# Altium PCB CHEM_CONTROL_BOX.PcbDoc (part 1 of 3)
Units mil, origin at the board's own origin, x right, y up, seen from the top; angles counter-clockwise.
Board outline 17180 x 8000 mil, 2 copper layers (Top Layer, Bottom Layer), stack 65.3 mil thick; 278 components, 287 nets, 1298 pads, 479 vias.
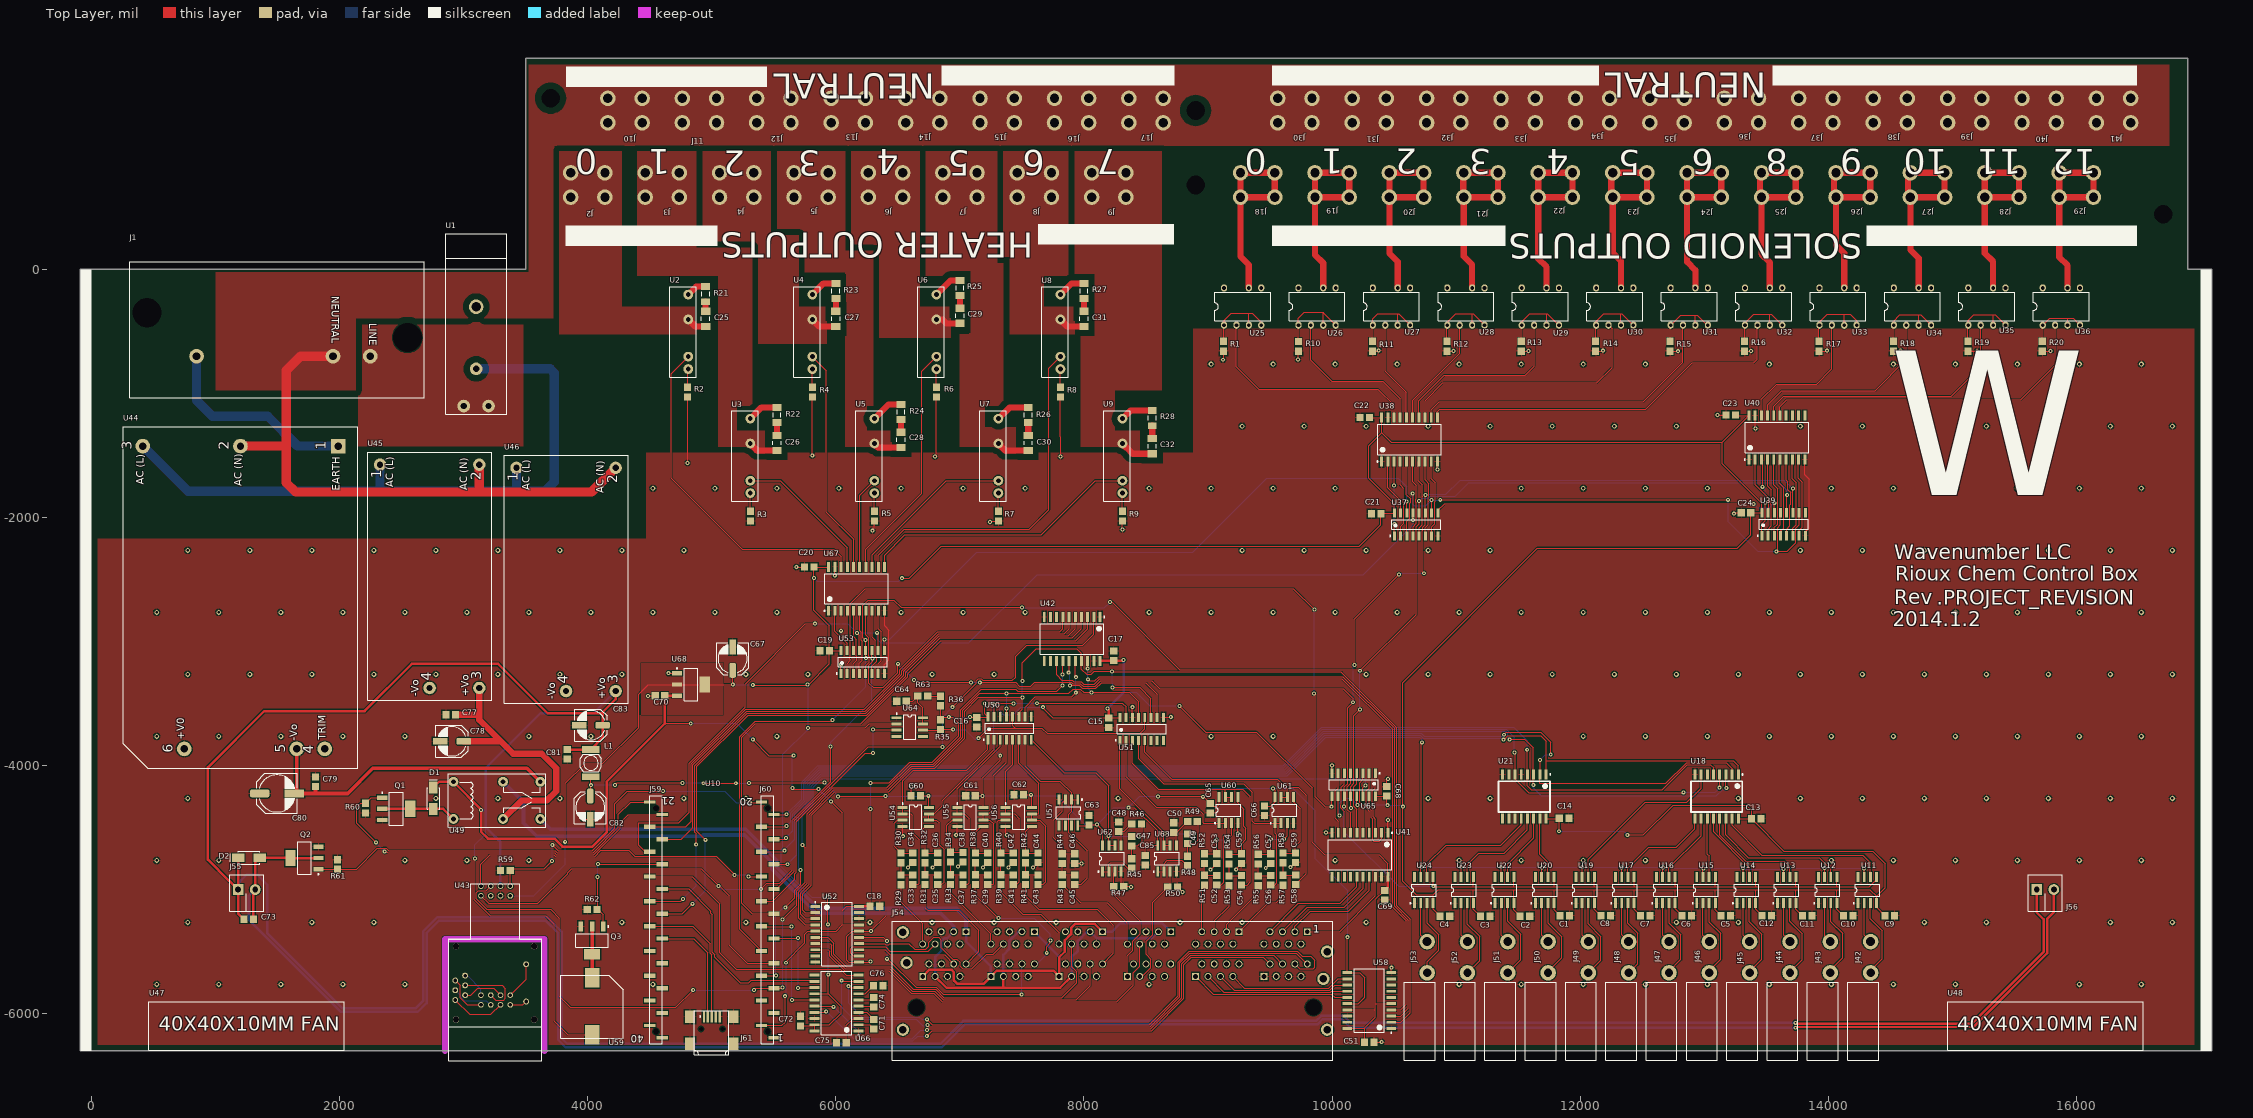
[diagram p0: Top Layer view]
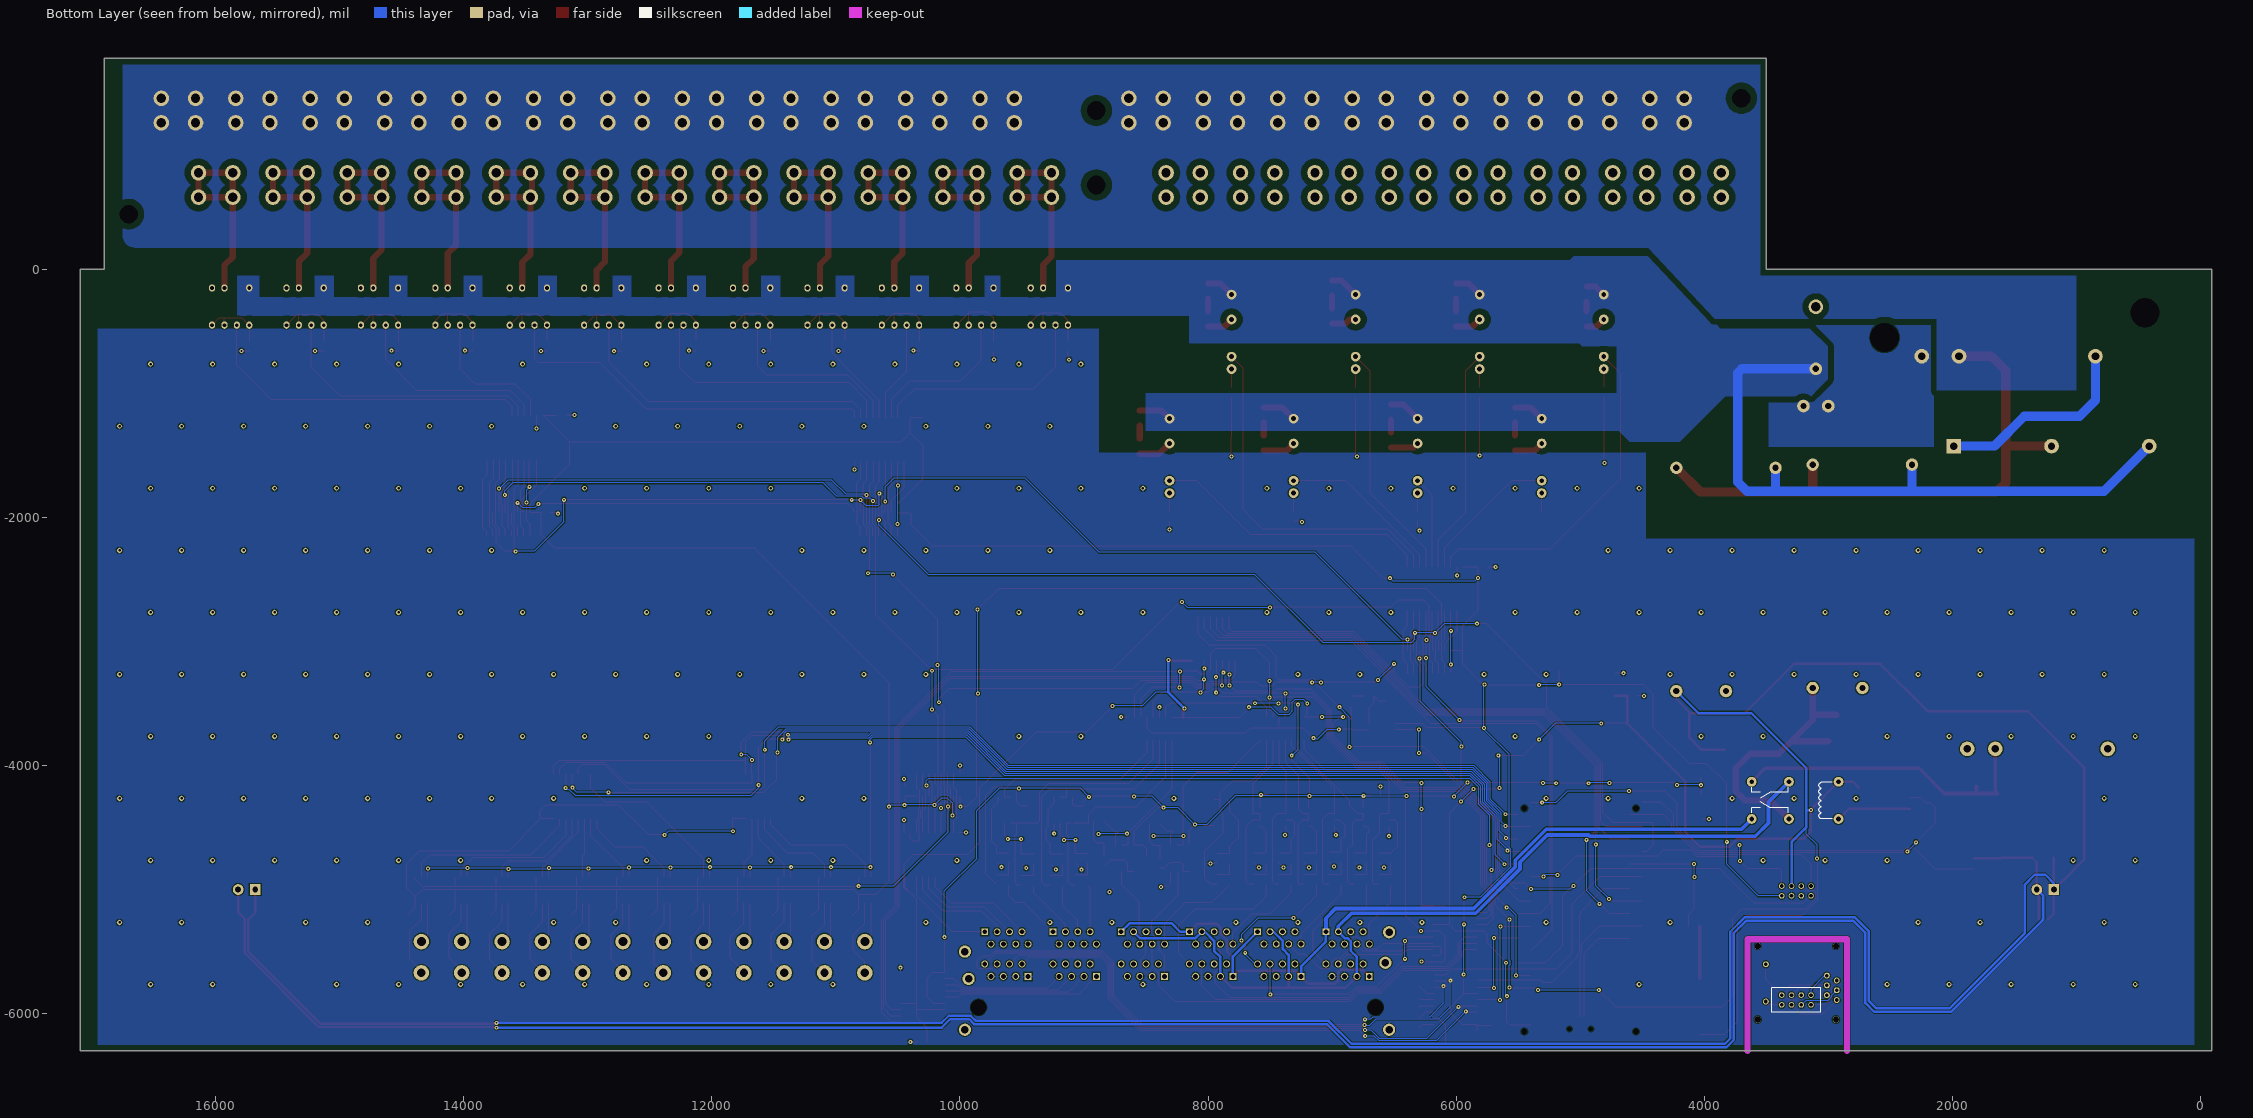
[diagram p1: Bottom Layer view, seen from below]
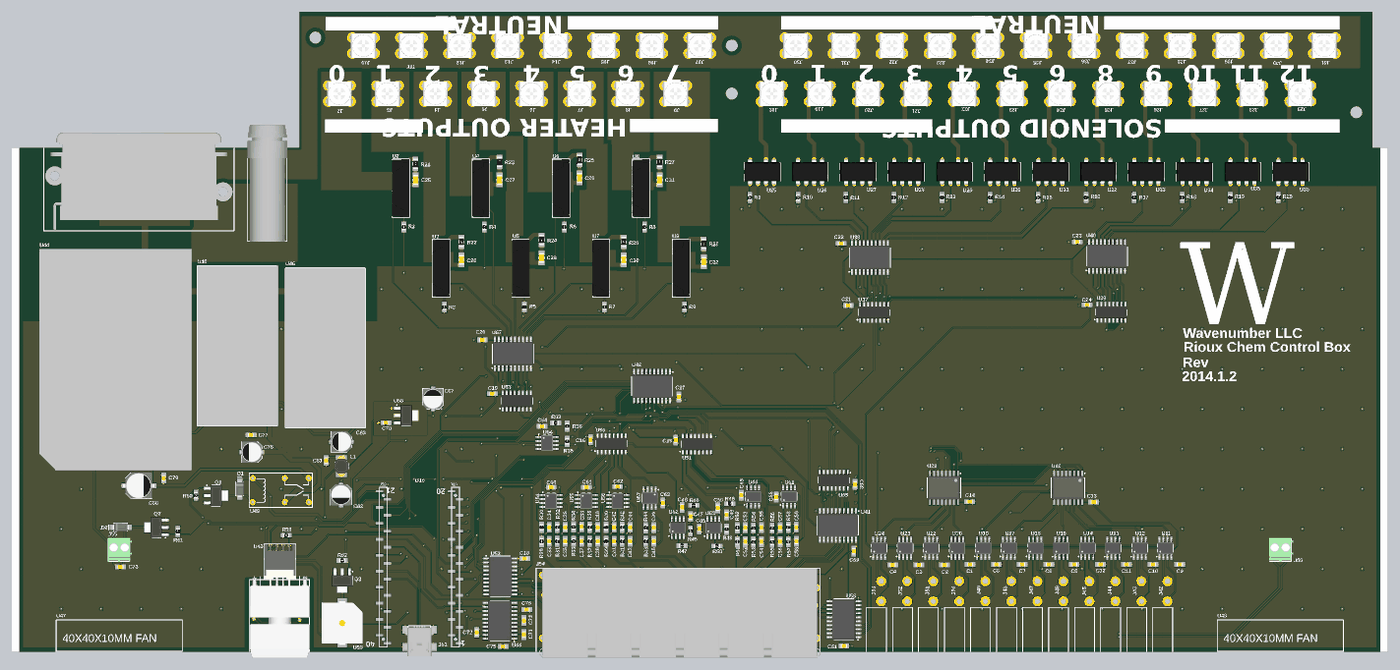
[diagram p4: 3D render of the assembled board from above, using the file's embedded part models]

## Layer stack, top to bottom
Top Layer: signal copper 1.4
Dielectric: core 62.5, FR-4, Dk 4.8
Bottom Layer: signal copper 1.4

## Board outline
-90,-6300 -90,0 3500,0 3500,1700 16900,1700 16900,0 17090,0 17090,-6300

## Design rules (kind name [scope] priority, off if disabled: settings)
Clearance 120VAC [InNet('120VAC')   or InNet ('120VAC_RETURN') or InNet ('HEATER_POWER_0') or InNet ('HEATER_POWER_1') or InNet ('HEATER_POWER_2') or InNet ('HEATER_POWER_3') or InNet ('HEATER_POWER_4') or InNet ('HEATER_POWER_5') or InNet ('HEATER_POWER_6') or InNet ('HEATER_POWER_7')] p1: gap=50
Clearance Clearance_1 [All] p2: gap=8
Height [All] p1: minheight=0 maxheight=3000 prefheight=500
HoleSize [All] p1: absolutevalues=TRUE maxlimit=250 minlimit=1 maxpercent=80.000 minpercent=20.000
PolygonConnect 120VAC_POLY [InNet('120VAC') or InNet('120VAC_RETURN') or InNet ('HEATER_POWER_0') or InNet ('HEATER_POWER_1') or InNet ('HEATER_POWER_2') or InNet ('HEATER_POWER_3') or InNet ('HEATER_POWER_4') or InNet ('HEATER_POWER_5') or InNet ('HEATER_POWER_6') or InNet ('HEATER_POWER_7') or InNet ('netJ1_L') or InNet('+3.3v')] p1: connectstyle=Direct reliefconductorwidth=10 reliefentries=4 polygonreliefangle="90 Angle" airgapwidth=10
PolygonConnect [All] p2: connectstyle=Relief reliefconductorwidth=10 reliefentries=4 polygonreliefangle="90 Angle" airgapwidth=10
RoutingVias [All] p1: holewidth=15 width=32 viastyle="Through Hole" minholewidth=15 minwidth=32 maxholewidth=15 maxwidth=32
SolderMaskExpansion [All] p1: expansion=4
Width [All] p1: maxlimit=500 minlimit=6 preferedwidth=6
26 further rules are at their usual default settings.

## Components (designator, comment, footprint, x,y, rotation, side; value= is the part's Value field where it differs from the comment)
C1 "0.1µF  50V" C0805_LD 11875,-5210 r180 top
C2 "0.1µF  50V" C0805_LD 11555,-5215 r180 top
C3 "0.1µF  50V" C0805_LD 11235,-5215 r180 top
C4 "0.1µF  50V" C0805_LD 10910,-5215 r180 top
C5 "0.1µF  50V" C0805_LD 13175,-5210 r180 top
C6 "0.1µF  50V" C0805_LD 12860,-5210 r180 top
C7 "0.1µF  50V" C0805_LD 12525,-5210 r180 top
C8 "0.1µF  50V" C0805_LD 12205,-5210 r180 top
C9 "0.1µF  50V" C0805_LD 14495,-5210 r180 top
C10 "0.1µF  50V" C0805_LD 14160,-5210 r180 top
C11 "0.1µF  50V" C0805_LD 13830,-5210 r180 top
C12 "0.1µF  50V" C0805_LD 13505,-5210 r180 top
C13 "0.1µF  50V" C0805_LD 13420,-4430 r180 top
C14 "0.1µF  50V" C0805_LD 11870,-4425 r180 top
C15 "0.1µF" C0805_LD 8200,-3655 r90 top
C16 "0.1µF" C0805_LD 7135,-3650 r90 top
C17 "0.1µF" C0805_LD 8240,-3115 r270 top
C18 "0.1µF" C0805_LD 6315,-5135 r180 top
C19 "0.1µF  50V" C0805_LD 5910,-3075 r0 top
C20 "0.1µF  50V" C0805_LD 5785,-2400 r0 top
C21 "0.1µF  50V" C0805_LD 10355,-1970 r0 top
C22 "0.1µF  50V" C0805_LD 10264,-1195 r0 top
C23 "0.1µF  50V" C0805_LD 13215,-1175 r0 top
C24 "0.1µF  50V" C0805_LD 13337,-1963 r0 top
C25 "0.1µF" C1206_LD 4950,-400 r270 top
C26 "0.1µF" C1206_LD 5525,-1400 r270 top
C27 "0.1µF" C1206_LD 6000,-400 r270 top
C28 "0.1µF" C1206_LD 6525,-1375 r270 top
C29 "0.1µF" C1206_LD 7000,-375 r270 top
C30 "0.1µF" C1206_LD 7550,-1400 r270 top
C31 "0.1µF" C1206_LD 8000,-400 r270 top
C32 "0.1µF" C1206_LD 8550,-1425 r270 top
C33 "0.1µF" C0805_LD 6620,-4920 r90 top
C34 "0.1µF" C0805_LD 6620,-4745 r90 top
C35 "0.1µF" C0805_LD 6820,-4920 r90 top
C36 "0.1µF" C0805_LD 6820,-4745 r90 top
C37 "0.1µF" C0805_LD 7025,-4920 r90 top
C38 "0.1µF" C0805_LD 7025,-4738.39 r90 top
C39 "0.1µF" C0805_LD 7225,-4920 r90 top
C40 "0.1µF" C0805_LD 7225,-4745 r90 top
C41 "0.1µF" C0805_LD 7430,-4920 r90 top
C42 "0.1µF" C0805_LD 7430,-4745 r90 top
C43 "0.1µF" C0805_LD 7630,-4920 r90 top
C44 "0.1µF" C0805_LD 7630,-4745 r90 top
C45 "0.1µF" C0805_LD 7925,-4920 r90 top
C46 "0.1µF" C0805_LD 7925,-4750 r90 top
C47 "0.1µF" C0805_LD 8385,-4610 r270 top
C48 "0.1µF" C0805_LD 8280,-4495 r270 top
C49 "0.1µF" C0805_LD 8835,-4590 r270 top
C50 "0.1µF" C0805_LD 8725,-4500 r270 top
C51 "0.1µF" C0805_LD 10300,-6230 r180 top
C52 "0.1µF" C0805_LD 9070,-4925 r90 top
C53 "0.1µF" C0805_LD 9070,-4750 r90 top
C54 "0.1µF" C0805_LD 9270,-4925 r90 top
C55 "0.1µF" C0805_LD 9270,-4750 r90 top
C56 "0.1µF" C0805_LD 9505,-4925 r90 top
C57 "0.1µF" C0805_LD 9505,-4750 r90 top
C58 "0.1µF" C0805_LD 9706,-4920 r90 top
C59 "0.1µF" C0805_LD 9705,-4743 r90 top
C60 "0.1µF" C0805_LD 6645,-4245 r0 top
C61 "0.1µF" C0805_LD 7085,-4245 r0 top
C62 "0.1µF" C0805_LD 7474.21,-4235 r0 top
C63 "0.1µF" C0805_LD 8040,-4440 r270 top
C64 "0.1µF" C0805_LD 6529,-3481 r180 top
C65 "0.1µF" C0805_LD 9019,-4344 r90 top
C66 "0.1µF" C0805_LD 9455,-4365 r90 top
C67 "47µF" C_ALU_D 5168,-3139 r90 top
C68 "0.1µF  50V" C0805_LD 10440,-4209 r270 top
C69 "0.1µF  50V" C0805_LD 10424,-5045 r90 top
C70 "0.1µF" C0805_LD 4582,-3437 r0 top
C71 "0.1µF" C0805_LD 6305,-6085 r270 top
C72 "0.1µF" C0805_LD 5715,-6060 r270 top
C73 "0.1µF" C0805_LD 1265.8,-5239.8 r180 top
C74 "0.1µF" C0805_LD 6305,-5910 r270 top
C75 "0.1µF" C0805_LD 6045,-6235 r0 top
C76 "0.1µF" C0805_LD 6340,-5775 r180 top
C77 "0.1µF" C0805_LD 2895,-3590 r0 top
C78 "47µF" C_ALU_D 2905,-3805 r180 top
C79 "0.1µF" C0805_LD 1805,-4130 r90 top
C80 "330µF" C_ALU_F 1495,-4225 r0 top
C81 "0.1µF" C0805_LD 3835,-3910 r90 top
C82 "47µF" C_ALU_D 4020,-4340 r270 top
C83 "47µF" C_ALU_D 4025,-3675 r180 top
C85 "0.1µF" C0805_LD 8495,-4765 r90 top
D1 "B1100-13-F" D_SMA_P 2755,-4264 r90 top
D2 "B1100-13-F" D_SMA_P 1269,-4744 r180 top
J1 "KP01.1112.11" KP01.1112.11 1496.06,-525 r180 top locked
J2 "7701" 7701 4000,680 r90 top
J3 "7701" 7701 4600,680 r90 top
J4 "7701" 7701 5200,680 r90 top
J5 "7701" 7701 5800,680 r90 top
J6 "7701" 7701 6400,680 r90 top
J7 "7701" 7701 7000,680 r90 top
J8 "7701" 7701 7600,680 r90 top
J9 "7701" 7701 8200,680 r90 top
J10 "7701" 7701 4300,1280 r90 top
J11 "7701" 7701 4900,1280 r90 top
J12 "7701" 7701 5500,1280 r90 top
J13 "7701" 7701 6100,1280 r90 top
J14 "7701" 7701 6700,1280 r90 top
J15 "7701" 7701 7300,1280 r90 top
J16 "7701" 7701 7900,1280 r90 top
J17 "7701" 7701 8500,1280 r90 top
J18 "7701" 7701 9400,680 r90 top
J19 "7701" 7701 10000,680 r90 top
J20 "7701" 7701 10600,680 r90 top
J21 "7701" 7701 11200,680 r90 top
J22 "7701" 7701 11800,680 r90 top
J23 "7701" 7701 12400,680 r90 top
J24 "7701" 7701 13000,680 r90 top
J25 "7701" 7701 13600,680 r90 top
J26 "7701" 7701 14200,680 r90 top
J27 "7701" 7701 14800,680 r90 top
J28 "7701" 7701 15400,680 r90 top
J29 "7701" 7701 16000,680 r90 top
J30 "7701" 7701 9700,1280 r90 top
J31 "7701" 7701 10300,1280 r90 top
J32 "7701" 7701 10900,1280 r90 top
J33 "7701" 7701 11500,1280 r90 top
J34 "7701" 7701 12100,1280 r90 top
J35 "7701" 7701 12700,1280 r90 top
J36 "7701" 7701 13300,1280 r90 top
J37 "7701" 7701 13900,1280 r90 top
J38 "7701" 7701 14500,1280 r90 top
J39 "7701" 7701 15100,1280 r90 top
J40 "7701" 7701 15700,1280 r90 top
J41 "7701" 7701 16300,1280 r90 top
J42 "PCC-SMP-K" PCC-SMP-V 14341.38,-5545.47 r90 top
J43 "PCC-SMP-K" PCC-SMP-V 14016.38,-5545.47 r90 top
J44 "PCC-SMP-K" PCC-SMP-V 13691.38,-5545.47 r90 top
J45 "PCC-SMP-K" PCC-SMP-V 13366.38,-5545.47 r90 top
J46 "PCC-SMP-K" PCC-SMP-V 13041.38,-5545.47 r90 top
J47 "PCC-SMP-K" PCC-SMP-V 12716.38,-5545.47 r90 top
J48 "PCC-SMP-K" PCC-SMP-V 12391.38,-5545.47 r90 top
J49 "PCC-SMP-K" PCC-SMP-V 12066.38,-5545.47 r90 top
J50 "PCC-SMP-K" PCC-SMP-V 11741.38,-5545.47 r90 top locked
J51 "PCC-SMP-K" PCC-SMP-V 11416.38,-5545.47 r90 top
J52 "PCC-SMP-K" PCC-SMP-V 11091.38,-5545.47 r90 top
J53 "PCC-SMP-K" PCC-SMP-V 10766.38,-5545.47 r90 top
J54 "5569263-1" 5569263-1 8250,-5735 r0 top locked
J55 "1984617" 1984617 1250,-5000 r0 top
J56 "1984617" 1984617 15750,-5000 r0 top
J61 "1734035-2" 1734035-2 5000,-6133 r90 top
L1 "100 uH 0.31A" L_DO1608C 4025,-3980 r270 top
Q1 "NDT3055L" SOT223 2456,-4349 r0 top
Q2 "NDT3055L" SOT223 1716,-4746 r180 top
Q3 "NDT3055L" SOT223 4035,-5410 r270 top
R1 "91" R0805_LD 9125,-620 r90 top
R2 "91" R0805_LD 4805,-990 r90 top
R3 "91" R0805_LD 5310,-1990 r90 top
R4 "91" R0805_LD 5810,-990 r90 top
R5 "91" R0805_LD 6310,-1990 r90 top
R6 "91" R0805_LD 6810,-990 r90 top
R7 "91" R0805_LD 7310,-1990 r90 top
R8 "91" R0805_LD 7810,-990 r90 top
R9 "91" R0805_LD 8310,-1990 r90 top
R10 "91" R0805_LD 9728,-621 r90 top
R11 "91" R0805_LD 10325,-620 r90 top
R12 "91" R0805_LD 10925,-620 r90 top
R13 "91" R0805_LD 11525,-620 r90 top
R14 "91" R0805_LD 12125,-620 r90 top
R15 "91" R0805_LD 12725,-620 r90 top
R16 "91" R0805_LD 13325,-620 r90 top
R17 "91" R0805_LD 13925,-620 r90 top
R18 "91" R0805_LD 14525,-620 r90 top
R19 "91" R0805_LD 15125,-620 r90 top
R20 "91" R0805_LD 15725,-620 r90 top
R21 "47" R1206_LD 4950,-200 r270 top
R22 "47" R1206_LD 5525,-1175 r270 top
R23 "47" R1206_LD 6000,-175 r270 top
R24 "47" R1206_LD 6525,-1150 r270 top
R25 "47" R1206_LD 7000,-150 r270 top
R26 "47" R1206_LD 7550,-1175 r270 top
R27 "47" R1206_LD 8000,-175 r270 top
R28 "47" R1206_LD 8550,-1200 r270 top
R29 "100k" R0805_LD 6525,-4922 r90 top
R30 "100k" R0805_LD 6525,-4745 r90 top
R31 "100k" R0805_LD 6720,-4920 r90 top
R32 "100k" R0805_LD 6720,-4745 r90 top
R33 "100k" R0805_LD 6925,-4920 r90 top
R34 "100k" R0805_LD 6925,-4738.39 r90 top
R35 "1k ±1%" R0805_LD 6845,-3670 r90 top
R36 "100k" R0805_LD 6845,-3480 r270 top
R37 "100k" R0805_LD 7125,-4920 r90 top
R38 "100k" R0805_LD 7125,-4745 r90 top
R39 "100k" R0805_LD 7330,-4920 r90 top
R40 "100k" R0805_LD 7330,-4745 r90 top
R41 "100k" R0805_LD 7530,-4920 r90 top
R42 "100k" R0805_LD 7530,-4745 r90 top
R43 "100k" R0805_LD 7825,-4920 r90 top
R44 "100k" R0805_LD 7825,-4750 r90 top
R45 "100k" R0805_LD 8385,-4790 r90 top
R46 "100k" R0805_LD 8425,-4470 r180 top
R47 "240 ±1%" R0805_LD 8280,-4975 r180 top
R48 "100k" R0805_LD 8835,-4770 r90 top
R49 "100k" R0805_LD 8875,-4450 r180 top
R50 "240 ±1%" R0805_LD 8715,-4980 r180 top
R51 "100k" R0805_LD 8970,-4925 r90 top
R52 "100k" R0805_LD 8970,-4750 r90 top
R53 "100k" R0805_LD 9170,-4930 r90 top
R54 "100k" R0805_LD 9170,-4755 r90 top
R55 "100k" R0805_LD 9405,-4930 r90 top
R56 "100k" R0805_LD 9405,-4755 r90 top
R57 "100k" R0805_LD 9605,-4925 r90 top
R58 "100k" R0805_LD 9605,-4745 r90 top
R59 "10k ±1%" R0805_LD 3335,-4845 r0 top
R60 "10k" R0805_LD 2208,-4344 r90 top
R61 "10k" R0805_LD 1982,-4798 r270 top
R62 "10k" R0805_LD 4035,-5160 r0 top
R63 "100k" R0805_LD 6700,-3440 r0 top
U1 "FUSEHOLDER FPG5 5X20 IP 40" 3101.0055 3100,-1102.36 r270 top locked
U2 "S116S02F" "SHARP SIP-4 SSR" 4810,-504 r270 top
U3 "S116S02F" "SHARP SIP-4 SSR" 5310,-1504 r270 top
U4 "S116S02F" "SHARP SIP-4 SSR" 5810,-504 r270 top
U5 "S116S02F" "SHARP SIP-4 SSR" 6310,-1504 r270 top
U6 "S116S02F" "SHARP SIP-4 SSR" 6810,-504 r270 top
U7 "S116S02F" "SHARP SIP-4 SSR" 7310,-1504 r270 top
U8 "S116S02F" "SHARP SIP-4 SSR" 7810,-504 r270 top
U9 "S116S02F" "SHARP SIP-4 SSR" 8310,-1504 r270 top
U10 "MBED" MBED_SURFACEMOUNT_SOCKET 5000,-5245 r180 top locked
U11 "MAX31855KASA+T" "SOIC 8" 14315,-5005 r0 top
U12 "MAX31855KASA+T" "SOIC 8" 13995,-5005 r0 top
U13 "MAX31855KASA+T" "SOIC 8" 13665,-5005 r0 top
U14 "MAX31855KASA+T" "SOIC 8" 13340,-5005 r0 top
U15 "MAX31855KASA+T" "SOIC 8" 13015,-5005 r0 top
U16 "MAX31855KASA+T" "SOIC 8" 12690,-5005 r0 top
U17 "MAX31855KASA+T" "SOIC 8" 12360,-5005 r0 top
U18 "SN74HC138NSR" "SOIC 16 Wide" 13100,-4250 r270 top
U19 "MAX31855KASA+T" "SOIC 8" 12040,-5005 r0 top
U20 "MAX31855KASA+T" "SOIC 8" 11715,-5005 r0 top
U21 "SN74HC138NSR" "SOIC 16 Wide" 11550,-4250 r270 top
U22 "MAX31855KASA+T" "SOIC 8" 11390,-5005 r0 top
U23 "MAX31855KASA+T" "SOIC 8" 11065,-5005 r0 top
U24 "MAX31855KASA+T" "SOIC 8" 10740,-5005 r0 top
U25 "PR3BMF51NSKF" DIP8_NO_PIN7 9279,-300 r0 top
U26 "PR3BMF51NSKF" DIP8_NO_PIN7 9879,-300 r0 top
U27 "PR3BMF51NSKF" DIP8_NO_PIN7 10479,-300 r0 top
U28 "PR3BMF51NSKF" DIP8_NO_PIN7 11079,-300 r0 top
U29 "PR3BMF51NSKF" DIP8_NO_PIN7 11679,-300 r0 top
U30 "PR3BMF51NSKF" DIP8_NO_PIN7 12279,-300 r0 top
U31 "PR3BMF51NSKF" DIP8_NO_PIN7 12879,-300 r0 top
U32 "PR3BMF51NSKF" DIP8_NO_PIN7 13479,-300 r0 top
U33 "PR3BMF51NSKF" DIP8_NO_PIN7 14079,-300 r0 top
U34 "PR3BMF51NSKF" DIP8_NO_PIN7 14679,-300 r0 top
U35 "PR3BMF51NSKF" DIP8_NO_PIN7 15279,-300 r0 top
U36 "PR3BMF51NSKF" DIP8_NO_PIN7 15879,-300 r0 top
U37 "SN74AHC594DR" SOIC127P600X145-16L 10677.5,-2057.01 r90 top
U38 "SN74LVTH541DW" SOIC127P1030X265-20L 10624.28,-1371.85 r90 top
U39 "SN74AHC594DR" SOIC127P600X145-16L 13640,-2055 r90 top
U40 "SN74LVTH541DW" SOIC127P1030X265-20L 13585.89,-1356.1 r90 top
U41 "SN74LVTH541DW" SOIC127P1030X265-20L 10225,-4720 r270 top
U42 "SN74LVTH541DW" SOIC127P1030X265-20L 7905,-2980 r270 top
U43 "#NAME?" "R/A IS15DSBFP4RGB" 3250,-5510 r0 top locked
U44 "VSK-S25-15U" VSK-S25 1200,-1425 r90 top
U45 "VSK-S5-15UA" VSK-S5 2325,-1575 r90 top
U46 "VSK-S5-5UA" VSK-S5 3425,-1600 r90 top
U47 "ME40100V1-000U-A99" ME40100V1-000U-A99 1250,-6100 r0 top locked
U48 "ME40100V1-000U-A99" ME40100V1-000U-A99 15750,-6100 r0 top locked
U49 "G6B-2114P-US-DC5" G6B-2114P-US 2917,-4431 r180 top
U50 "MCP3208-BI/SL" SOIC127P600X145-16L 7400,-3700 r90 top
U51 "MCP3208-BI/SL" SOIC127P600X145-16L 8465,-3705 r90 top
U52 "TLV5608IDW" SOIC127P1030X265-20L 6010,-5360 r0 top
U53 "SN74AHC594DR" SOIC127P600X145-16L 6215.33,-3165.61 r90 top
U54 "MCP6002-I/SN" "SOIC 8" 6644.21,-4415 r270 top
U55 "MCP6002-I/SN" "SOIC 8" 7084.21,-4415 r270 top
U56 "MCP6002-I/SN" "SOIC 8" 7474.21,-4415 r270 top
U57 "MCP6002-I/SN" "SOIC 8" 7875,-4380 r180 top
U58 "TLV5608IDW" SOIC127P1030X265-20L 10300,-5895 r180 top
U59 "CT-1205" CT-1205 4035,-5945 r270 top
U60 "MCP6002-I/SN" "SOIC 8" 9165,-4360 r0 top
U61 "MCP6002-I/SN" "SOIC 8" 9615,-4360 r0 top